# Altium PCB USB-UART-ISO-CP2102-V-2.PcbDoc (continued)
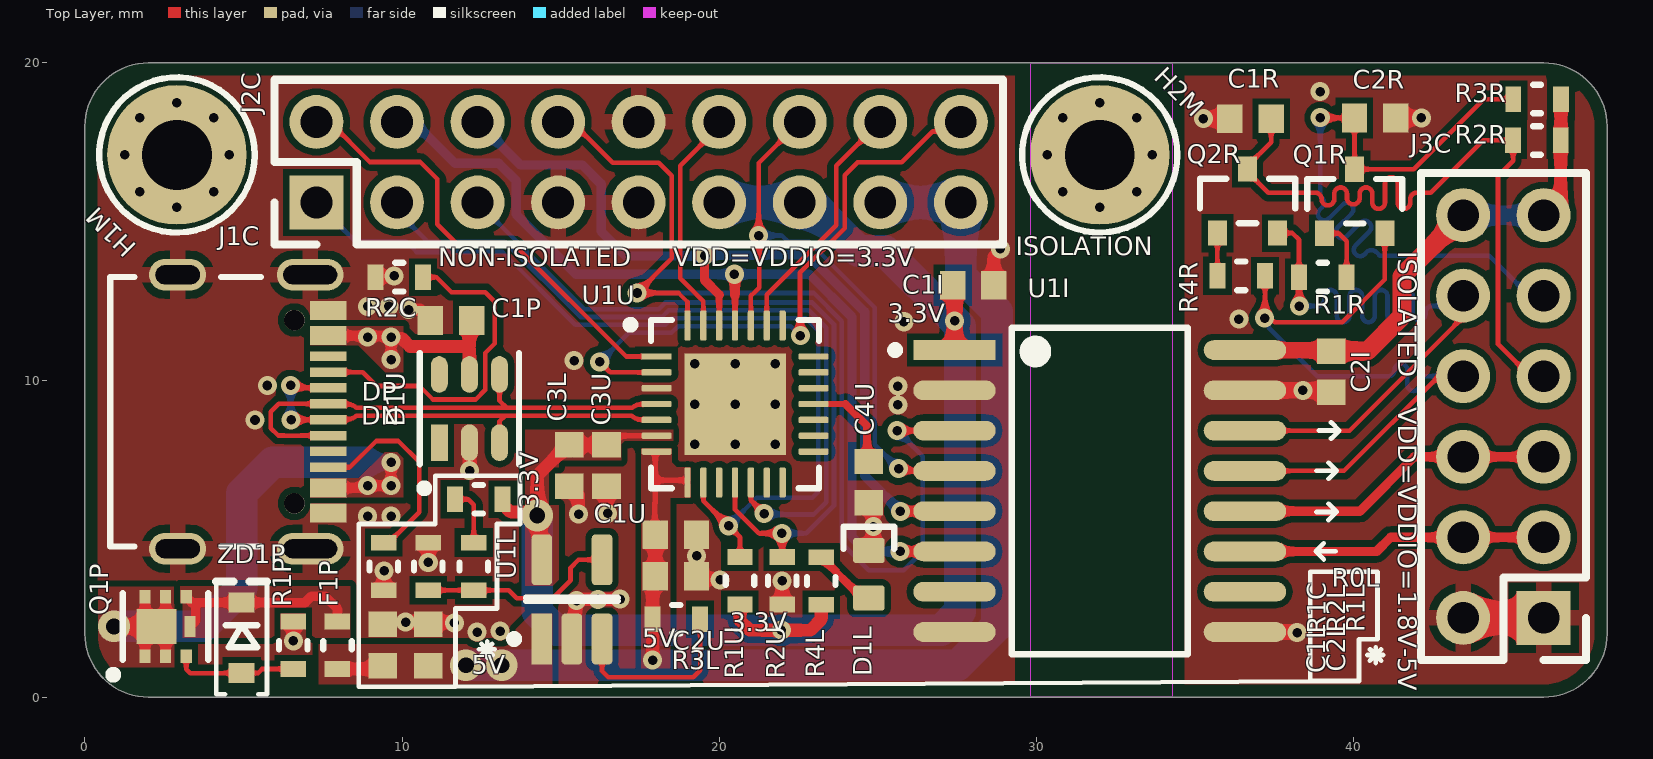
[diagram p0: Top Layer view]
## Part data (continued)
U1I: "DGTL ISO 3750VRMS 4CH GP 16SOIC", Case/Package=SOIC, Isolated Power=No, Max Operating Temperature=125°C, Max Supply Voltage=5.5V, Min Operating Temperature=-40°C, Min Supply Voltage=1.7V, Channel Type=Unidirectional, Data Rate=150Mbps, Lead Free="Contains Lead", Mount="Surface Mount", Number Of Channels=4, Number of Pins=16, packaging=Rail/Tube, Propagation Delay=13ns, Pulse Width Distortion (PWD)=3ns, REACH SVHC="No SVHC", RoHS Compliant=Yes, TYPE="General Purpose"
U1L: "LDO U-Reg Adj 0, 3A SOT23-5", MANUFACTURER="SG Micro", Supplier Part Number 1=SGM2019-ADJYN5GTR-112944978, CATEGORY=LDO, Manufacturer Part Number=SGM2019-ADJYN5G/TR, RoHS=No, Stock 1=6915, Supplier 1=Sourcengine
U1U: "Single-Chip USB to UART Bridge, 1024 Bytes EEPROM, -40 to 85 degC, 28-pin QFN, Tube", MANUFACTURER="Silicon Labs", PartNumber=CP2102-GM, Code_IPC=J-STD-020C, Code_JEDEC=MO-220, componentlink1description="Manufacturer URL", componentlink1url=http://www.silabs.com/, componentlink2description=Datasheet, componentlink2url=http://www.silabs.com/Support%20Documents/TechnicalDocs/CP2102-9.pdf, ComponentLink3Description="Package Specification", ComponentLink3URL=http://www.silabs.com/Support%20Documents/TechnicalDocs/C8051T61x.pdf, DatasheetVersion="Rev. 1.5", EEPROM="1024 Bytes", Internal Oscillator=TRUE, Mounting Technology="Surface Mount", PackageDescription="28-Pin Quad-Flat No-Leads Package, Body 5 x 5 mm, Pitch 0.5 mm", PackageReference=QFN-28, Sub-Family="USB Bridges"
ZD1P: "MM3Z12VST1G Zener Diode, 12V 2% 200 mW SMT 2-Pin SOD-323", Case/Package=SOD-323-2, Forward Voltage=900mV, MANUFACTURER="ON Semiconductor", Max Operating Temperature=150°C, Max Power Dissipation=300mW, Max Reverse Current=100nA, Min Operating Temperature=-65°C, Package Quantity=3000, Power Dissipation=200mW, Test Current=5mA, Tolerance=2%, Voltage Rating (DC)=12V, Zener Current=10mA, CATEGORY="Zener Diodes", componentlink1description=https://datasheet.ciiva.com/30478/0900766b8127c8bd-30478408.pdf?src-supplier=Rs, componentlink1url=https://datasheet.ciiva.com/30478/0900766b8127c8bd-30478408.pdf?src-supplier=Rs, componentlink2description=https://datasheet.ciiva.com/16292/mm3z12vst1g-16292931.pdf?src-supplier=Future+Electronics, componentlink2url=https://datasheet.ciiva.com/16292/mm3z12vst1g-16292931.pdf?src-supplier=Future+Electronics, ComponentLink3Description=https://datasheet.ciiva.com/22626/1878251-22626885.pdf?src-supplier=Element14, ComponentLink3URL=https://datasheet.ciiva.com/22626/1878251-22626885.pdf?src-supplier=Element14, ComponentLink4Description=https://datasheet.ciiva.com/894/mm3z2v4st1-d-894650.pdf?src-supplier=Digikey, ComponentLink4URL=https://datasheet.ciiva.com/894/mm3z2v4st1-d-894650.pdf?src-supplier=Digikey, ComponentLink5Description=https://datasheet.ciiva.com/894/mm3z2v4st1-d-894651.pdf?src-supplier=Digikey, ComponentLink5URL=https://datasheet.ciiva.com/894/mm3z2v4st1-d-894651.pdf?src-supplier=Digikey, ComponentLink6Description=https://datasheet.ciiva.com/894/mm3z2v4st1-d-894649.pdf?src-supplier=Digikey, ComponentLink6URL=https://datasheet.ciiva.com/894/mm3z2v4st1-d-894649.pdf?src-supplier=Digikey, Height=1mm, Impedance=25R, Lead Free="Lead Free", Length=1.8mm, Manufacturer Part Number=MM3Z12VST1G, Material=Plastic, Max Reverse Leakage Current=100nA, packaging="Tape and Reel", Pins=2, Power Rating=200mW, Pricing 1="3000=0.0152, 6000=0.0145, 9000=0.0143, 27000=0.0137, 51000=0.0133, 102000=0.0128, 252000=0.0125, 501000=0.0123 (USD)", Radiation Hardening=No, Reach SVHC Compliant=No, RoHS=Yes, RoHS Compliant=Yes, SERIES=-, Stock 1=60000, Supplier 1=Onlinecomponents.com, Supplier Part Number 1=MM3Z12VST1G, Voltage Tolerance=2%, Width=1.35mm, Working Voltage=12V, Zener Voltage=12V

## Via types
v1: diameter 0.6, hole 0.3, Top Layer to Bottom Layer, tented both sides, 63 vias
v2: diameter 0.6, hole 0.3, Top Layer to Bottom Layer, tented bottom, 9 vias
v3: diameter 1, hole 0.5, Top Layer to Bottom Layer, tented both sides, 4 vias

## Nets (pads, with @x,y where several pads share a name; then routed paths per layer and width w, separated by ;. In a path a pad name is that pad's centre, name@x,y a point inside that pad or via, vN(x,y) a via of type N, cw(c..) or ccw(c..) an arc to the next point about the centre after c; other vN are vias at no path point)
+3VALW: C1I.1 C3L.1 C3U.1 J2C.11 J2C.13 R0L.1 R1U.1 R4L.1 U1I.1 U1L.5 U1U.6 | length 49.3
  Top Layer w0.18: C3U.1 16.735,8.243 U1U.6
  Top Layer w0.4: R0L.1 13.164,6.092 13.412,5.845 14.15,5.845 v3(14.265,5.73) ; U1L.5 14.335,4.404 14.335,5.659 v3(14.265,5.73) ; C3U.1 C3L.1 15.221,7.954 14.265,6.998 v3(14.265,5.73) ; R1U.1 20.655,2.417 20.962,2.11 v1(21.961,2.11) 22.875,2.11 23.22,2.455 R4L.1
  Top Layer w0.5: C1I.1 27.422,12.928 v1(27.422,11.868) U1I.1
  Bottom Layer w1: v3(14.265,5.73) 14.265,2.699 14.853,2.11 v1(21.961,2.11) 27.002,2.11 27.594,2.702 27.594,11.696 v1(27.422,11.868) 25.221,14.069 24.396,14.069 23.214,15.25 23.079,15.25 22.729,15.6 J2C.13 J2C.11
+5V_BUCK: C1L.1 C1U.1 C2L.1 C2U.1 F1P.2 J2C.15 J2C.17 R3L.1 U1L.1 U1U.7 U1U.8 | length 42.7
  Top Layer w0.18: C1U.1 17.972,5.134 17.972,6.111 17.986,6.126 17.986,6.84 ; U1U.7 17.986,7.704 17.986,6.84 ; U1U.8 18.928,6.84 17.986,6.84
  Top Layer w0.4: F1P.2 C1L.1@9.393,0.888 ; v1(17.9,1.168) R3L.1 17.9,3.72 C2U.1 C1U.1
  Bottom Layer w1: v3(12.012,1.008) v3(13.139,1.008) 27.522,1.008 28.758,2.245 28.758,12.15 27.62,13.288 J2C.17 J2C.15
+5V_VBUS: C1P.1 D1U.5 J1C.A4-B9 J1C.B4-A9 Q1P.1-2-5-6-7 | length 29
  Top Layer w0.3: Q1P.1-2-5-6-7@1.893,1.295 Q1P.1-2-5-6-7@1.893,2.23 ; Q1P.1-2-5-6-7@1.893,2.234 Q1P.1-2-5-6-7@1.893,3.165 ; Q1P.1-2-5-6-7@2.543,1.295 Q1P.1-2-5-6-7@2.543,3.165 ; J1C.B4-A9 8.846,6.6 v1(8.915,6.669) v1(9.652,6.669) v1(9.652,7.406) ; J1C.A4-B9 9.607,11.4 v1(9.652,11.355) v1(9.652,10.644) ; C1P.1@12.123,11.807 C1P.1
  Top Layer w0.4: v1(9.652,11.355) 9.69,11.317 9.988,11.317 10.25,11.055 12.123,11.055 ; D1U.5 12.123,11.005 12.123,11.055 ; C1P.1@12.123,11.807 12.123,11.055
  Top Layer w0.5: v3(0.913,2.234) 1.893,2.234 2.254,2.234 Q1P.1-2-5-6-7@2.258,2.23
  Bottom Layer w0.3: v1(8.915,6.669) v1(9.652,6.669) v1(9.652,7.406)
  Bottom Layer w0.5: 8.862,7.406 v1(9.652,7.406)
  Bottom Layer w1: v3(0.913,2.234) 3.742,2.234 4.944,3.435 4.944,6.427 5.923,7.406 8.862,7.406
  other v1: 8.915,11.355
+5V_VBUS#: F1P.1 Q1P.4-8 ZD1P.1 | length 6.4
  Top Layer w0.3: Q1P.4-8@3.193,3.165 3.373,2.984 ; Q1P.4-8@3.318,2.23 3.493,2.405 3.493,2.865 3.373,2.984 ; F1P.1 7.96,2.791 7.574,3.177 7.211,3.177 7.199,3.189 7.145,3.189 6.94,2.984 ZD1P.1 3.373,2.984
CC1: J1C.A5 R2C.1 | length 10.9
  Top Layer w0.146: J1C.A5 8.759,10.25 9.195,9.813 10.549,9.813 10.975,9.387 12.328,9.387 12.628,9.687 12.628,10.854 12.928,11.153 12.928,12.467 12.623,12.772 11.558,12.772 11.086,13.244 R2C.1
CC2: J1C.B5 R1C.1 | length 6.6
  Top Layer w0.146: J1C.B5 8.354,7.25 9.183,8.079 9.883,8.079 10.539,7.422 10.539,5.837 9.574,4.871 R1C.1
CP2102_USB_N: D1U.3 J1C.A7 J1C.B7 U1U.5 | length 14.9
  Top Layer w0.144: v1(6.483,9.83) 6.563,9.75 J1C.B7 ; v1(6.5,8.746) 6.502,8.748 7.676,8.748 J1C.A7 8.247,8.75 ccw(c8.247,9.183) 8.553,8.877 13.251,8.877 ; D1U.3@13.073,7.946 D1U.3 13.073,8.698 13.251,8.877 ; U1U.5 17.565,8.743 cw(c17.565,9.2) 17.242,8.877 13.251,8.877
  Bottom Layer w0.144: v1(6.483,9.83) 6.483,8.764 v1(6.5,8.746)
CP2102_USB_P: D1U.4 J1C.A6 J1C.B6 U1U.4 | length 15.8
  Top Layer w0.144: J1C.B6 6.812,8.25 6.806,8.244 6.296,8.244 6.29,8.25 6.095,8.25 5.864,8.481 5.864,9.003 6.111,9.25 J1C.A6 8.247,9.25 cw(c8.247,8.817) 8.553,9.123 13.295,9.123 ; D1U.4@13.073,10.097 13.073,9.345 13.295,9.123 ; U1U.4 17.55,9.243 ccw(c17.55,8.835) 17.261,9.123 13.295,9.123
CTS#: J2C.16 U1U.23 | length 7.9
  Top Layer w0.146: U1U.23 21.5,12.685 23.693,14.878 23.693,16.753 J2C.16
DCD#: J2C.2 U1U.1 | length 14.6
  Top Layer w0.146: J2C.2 7.719,18.14 8.985,16.875 10.574,16.875 11.109,16.34 11.109,14.912 11.751,14.27 13.538,14.27 17.066,10.743 U1U.1
DSR#: J2C.12 U1U.27 | length 7.2
  Top Layer w0.146: U1U.27 19.5,12.48 18.771,13.209 18.771,16.76 20,17.989 J2C.12
DTR#: J2C.8 U1I.3 U1U.28 | length 33.8
  Top Layer w0.146: J2C.8 15.349,18.14 16.638,16.851 18.096,16.851 18.51,16.438 18.51,13.84 17.563,12.893 17.563,12.786 v1@17.604,12.745 ; v1(17.415,12.745) v1@17.604,12.745 ; U1U.28 19,12.461 18.716,12.745 v1@17.604,12.745 ; v1(25.613,8.405) U1I.3
  Bottom Layer w0.146: v1(17.415,12.745) 22.978,12.745 23.867,11.856 23.867,4.854 24.722,3.999 25.82,3.999 26.416,4.596 26.416,7.602 v1(25.613,8.405)
DTR#_ISO: J3C.10 Q2R.2 R1R.1 U1I.14 | length 23.6
  Top Layer w0.146: U1I.14 39.877,8.405 43.46,11.988 J3C.10 ; Q2R.2 38.068,14.636 38.286,14.418 R1R.1 38.286,12.34 v1(38.293,12.333)
  Bottom Layer w0.146: v1(38.293,12.333) 38.804,12.333 38.877,12.333 ccw(c38.877,12.533) 39.077,12.533 39.077,12.641 cw(c39.277,12.641) 39.277,12.841 cw(c39.277,12.641) 39.477,12.641 39.477,12.025 ccw(c39.677,12.025) 39.677,11.825 ccw(c39.677,12.025) 39.877,12.025 39.877,12.641 cw(c40.077,12.641) 40.077,12.841 cw(c40.077,12.641) 40.277,12.641 40.277,12.025 ccw(c40.477,12.025) 40.477,11.825 ccw(c40.477,12.025) 40.676,12.025 40.676,12.641 cw(c40.876,12.641) 40.876,12.841 cw(c40.876,12.641) 41.076,12.641 41.076,12.025 ccw(c41.276,12.025) 41.276,11.825 ccw(c41.276,12.025) 41.476,12.025 41.476,12.641 cw(c41.676,12.641) 41.676,12.841 cw(c41.676,12.641) 41.876,12.641 41.876,12.091 ccw(c42.076,12.091) 42.076,11.891 ccw(c42.076,12.091) 42.276,12.091 42.276,12.133 cw(c42.476,12.133) 42.476,12.333 42.874,12.333 43.133,12.333 J3C.10
EN: R3L.2 U1L.3 | length 5.9
  Top Layer w0.146: U1L.3 16.306,0.822 16.499,0.629 19.181,0.629 19.4,0.847 R3L.2
EN/RST/nRST_ISO: C2R.1 J3C.9 Q1R.3 R3R.2 | length 23.5
  Top Layer w0.146: v1(38.955,18.274) 38.965,18.264 C2R.1 40.033,17.156 40.039,17.15 Q1R.3 41.905,16.648 44.116,18.859 R3R.2
  Bottom Layer w0.146: v1(38.955,18.274) 38.955,16.482 38.955,15.797 39.015,15.737 cw(c38.873,15.596) 39.015,15.454 38.938,15.378 ccw(c39.079,15.237) 38.938,15.095 ccw(c39.079,15.237) 39.221,15.095 39.657,15.531 cw(c39.798,15.39) 39.939,15.531 cw(c39.798,15.39) 39.939,15.248 39.504,14.813 ccw(c39.645,14.671) 39.504,14.53 ccw(c39.645,14.671) 39.786,14.53 40.222,14.966 cw(c40.363,14.824) 40.505,14.966 cw(c40.363,14.824) 40.505,14.683 40.069,14.247 ccw(c40.21,14.106) 40.069,13.964 ccw(c40.21,14.106) 40.352,13.964 40.428,14.041 cw(c40.569,13.9) 40.711,14.041 40.762,13.989 40.827,13.925 44.279,13.925 45.544,12.66 J3C.9
FB_1: R1L.2 R2L.1 U1L.4 | length 6.3
  Top Layer w0.146: R2L.1 11.759,3.371 R1L.2 13.368,3.371 13.616,3.122 14.746,3.122 15.312,3.689 15.312,4.082 15.563,4.333 U1L.4
FB_2: R0L.2 R1L.1 | length 1.9
  Top Layer w0.146: R0L.2 12.083,6.242 12.261,6.064 R1L.1
GATE_VBUS: Q1P.3 R1P.1 ZD1P.2 | length 3.9
  Top Layer w0.146: Q1P.3 3.193,0.883 3.317,0.759 ZD1P.2 5.455,0.759 5.584,0.888 R1P.1
GND: C1I.2 C1L.2 C1P.2 C1U.2 C2L.2 C2U.2 C3L.2 C3U.2 C4U.2 D1L.1 D1U.2 J1C.A1-B12 J1C.B1-A12 J1C.SH J2C.7 J2C.9 J2C.10 R1C.2 R1P.2 R2C.2 R2L.2 R2U.2 U1I.2 U1I.8 U1L.2 U1U.3 U1U.29 | length 14.7
  Top Layer w0.4: v1(6.57,1.777) R1P.2@6.57,2.409 ; R2C.2 9.178,13.264 9.726,13.264 v1(9.746,13.284) ; R1C.2 9.424,3.972 v1(9.436,3.984) ; v1(10.115,2.369) 11.622,2.369 v1(11.649,2.342) ; v1(10.204,12.219) 10.552,12.219 C1P.2 ; v1@10.826,4.249 R2L.2 ; D1U.2 12.128,8.02 12.128,7.152 v1(12.133,7.147) ; C3L.2 15.569,6.356 v1(15.569,5.773) ; U1L.2 15.464,1.94 15.464,2.946 15.505,2.988 v1(15.505,3.042) 15.559,3.042 15.603,3.086 v1(16.181,3.086) 16.867,3.086 v1(16.874,3.093) ; C3U.2 16.446,5.828 v1(16.479,5.795) ; C2U.2 19.353,3.739 19.99,3.739 v1(20.028,3.701) ; R2U.2 v1(21.987,3.666) ; D1L.1 24.859,4.763 24.859,5.995 C4U.2 ; C1I.2 28.66,13.88 28.864,14.083 v1(28.864,14.138)
  other v1: 12.366,2.047 13.091,2.082 10.825,4.248 19.288,4.452 24.859,5.379 8.915,5.705 9.652,5.705 5.362,8.74 25.635,9.218 25.635,9.812 5.754,9.828 15.422,10.613 25.824,11.838 8.915,12.319 9.587,12.322
  other v2: 19.23,7.973 20.5,7.973 21.77,7.973 19.23,9.243 20.5,9.243 21.77,9.243 19.23,10.513 20.5,10.513 21.77,10.513
GND-ISO: C1R.2 C2I.2 C2R.2 J3C.1 J3C.2 U1I.9 U1I.15 | length 8.6
  Top Layer w0.5: v1(35.272,18.243) C1R.2 ; U1I.9 38.177,2.055 38.181,2.051 38.2,2.051 v1@38.204,2.055 ; U1I.15 v1(38.406,9.675) 39.241,9.675 C2I.2 ; C2R.2 v1(42.145,18.265)
  Top Layer w1: J3C.2 J3C.1
  other v1: 38.227,2.032 36.392,11.923 38.953,19.092
IO0/GPIO0_ISO: C1R.1 J3C.7 Q2R.3 R2R.2 | length 23.6
  Top Layer w0.146: C1R.1 37.405,17.499 36.662,16.756 Q2R.3 36.662,16.556 37.31,15.908 37.512,15.908 38.797,15.908 cw(c38.797,15.708) 38.997,15.708 ccw(c39.197,15.708) 39.197,15.508 ccw(c39.197,15.708) 39.397,15.708 39.397,15.873 cw(c39.597,15.873) 39.597,16.073 cw(c39.597,15.873) 39.797,15.873 39.797,15.738 ccw(c39.996,15.738) 39.996,15.538 ccw(c39.996,15.738) 40.196,15.738 40.196,15.873 cw(c40.396,15.873) 40.396,16.073 cw(c40.396,15.873) 40.596,15.873 40.596,15.6 ccw(c40.796,15.6) 40.796,15.4 ccw(c40.796,15.6) 40.996,15.6 40.996,16.2 cw(c41.196,16.2) 41.196,16.4 cw(c41.196,16.2) 41.396,16.2 41.396,15.6 ccw(c41.596,15.6) 41.596,15.4 ccw(c41.596,15.6) 41.796,15.6 41.796,15.708 cw(c41.995,15.708) 41.995,15.908 42.068,15.908 42.442,15.908 44.091,17.557 R2R.2 45.038,16.913 44.561,16.436 44.561,11.129 45.57,10.12 J3C.7
NetQ1R_1: Q1R.1 R1R.2 | length 1.9
  Top Layer w0.146: Q1R.1 39.541,14.628 39.786,14.382 R1R.2
NetQ2R_1: Q2R.1 R4R.2 | length 1.4
  Top Layer w0.146: Q2R.1 35.712,13.791 35.715,13.788 R4R.2
Power_LED: D1L.2 R4L.2 | length 2
  Top Layer w0.254: R4L.2 24.509,3.125 D1L.2 D1L.2@24.73,3.116
RI#: J2C.18 U1U.2 | length 18.9
  Top Layer w0.146: v1(16.234,10.572) 16.563,10.243 U1U.2 ; v1(22.56,11.401) 22.547,11.414 22.547,13.382 23.954,14.789 23.954,16.455 24.364,16.864 25.762,16.864 26.74,17.843 27.323,17.843 J2C.18
  Bottom Layer w0.146: v1(16.234,10.572) 17.152,11.49 18.495,11.49 18.705,11.7 22.261,11.7 v1(22.56,11.401)
RST#: J2C.1 R1U.2 U1U.9 | length 28.8
  Top Layer w0.146: U1U.9 19.5,6.195 20.292,5.402 v1(20.295,5.402) 20.655,5.042 R1U.2
  Bottom Layer w0.146: J2C.1 8.528,14.372 10.12,14.372 10.455,14.037 13.167,14.037 15.464,11.74 18.298,11.74 18.506,11.948 22.724,11.948 23.123,11.548 23.123,6.473 22.934,6.283 21.628,6.283 21.627,6.284 21.176,6.284 v1(20.295,5.402)
RTS#: J2C.14 U1I.4 U1U.24 | length 18.9
  Top Layer w0.146: U1U.24 21,12.652 21.131,12.783 21.259,12.911 21.259,14.542 v1(21.245,14.555) 21.245,16.845 J2C.14 ; v1(25.657,7.205) 25.727,7.135 U1I.4
  Bottom Layer w0.146: v1(21.245,14.555) 21.982,14.555 22.173,14.364 22.833,14.364 24.909,12.288 24.909,7.954 v1(25.657,7.205)
RTS#_ISO: J3C.8 Q1R.2 R4R.1 U1I.13 | length 23.6
  Top Layer w0.146: U1I.13 39.704,7.135 42.689,10.12 J3C.8 ; R4R.1 37.215,11.968 v1(37.202,11.955) 37.289,11.869 37.473,11.869 37.515,11.826 39.646,11.826 40.989,13.169 Q1R.2
  Bottom Layer w0.146: v1(37.202,11.955) 37.202,11.833 37.332,11.703 37.332,11.648 38.86,10.12 39.166,10.12 41.099,10.12 ccw(c41.099,10.32) 41.299,10.32 cw(c41.499,10.32) 41.499,10.52 cw(c41.499,10.32) 41.699,10.32 41.699,9.855 ccw(c41.898,9.855) 41.898,9.656 ccw(c41.898,9.855) 42.098,9.855 42.098,9.92 cw(c42.298,9.92) 42.298,10.12 42.371,10.12 J3C.8
RXD: J2C.4 U1I.6 U1U.25 | length 29.5
  Top Layer w0.18: U1U.25 20.5,12.65
  Top Layer w0.295: v1(20.479,13.336) 20.5,13.315 20.5,12.65 ; v1(25.709,4.595) U1I.6
  Bottom Layer w0.295: J2C.4 10.367,18.14 11.675,16.833 13.052,16.833 13.596,16.289 13.596,15.226 15.486,13.336 v1(20.479,13.336) 20.481,13.339 22.84,13.339 24.189,11.99 24.189,5.054 24.648,4.595 v1(25.709,4.595)
RXD_ISO: J3C.3 J3C.4 U1I.11 | length 9.6
  Top Layer w0.295: U1I.11 40.732,4.595 41.177,5.04 J3C.4 J3C.3
SUSPEND: J2C.3 U1U.12 | length 24.3
  Top Layer w0.146: U1U.12 21,6.204 v1(21.42,5.784)
  Bottom Layer w0.146: J2C.3 9.84,15.32 10.803,14.357 13.243,14.357 15.613,11.987 18.195,11.987 18.404,12.196 22.826,12.196 23.371,11.651 23.371,6.145 22.988,5.761 21.443,5.761 v1(21.42,5.784)
SUSPEND#: J2C.5 R2U.1 U1U.11 | length 24.1
  Top Layer w0.146: U1U.11 20.5,5.916 21.251,5.166 v1(21.975,5.166) 21.987,5.153 R2U.1
  Bottom Layer w0.146: J2C.5 15.745,12.235 18.093,12.235 18.301,12.444 22.929,12.444 23.619,11.754 23.619,6.042 23.09,5.513 22.742,5.166 v1(21.975,5.166)
TXD: J2C.6 U1I.5 U1U.26 | length 26.5
  Top Layer w0.18: U1U.26 20,12.693
  Top Layer w0.295: v1(19.539,13.923) 19.539,13.155 20,12.693 ; v1@25.714,5.865 U1I.5
  Bottom Layer w0.295: J2C.6 13.738,16.782 15.68,16.782 16.276,16.185 16.276,14.693 17.059,13.911 19.526,13.911 v1(19.539,13.923) 19.555,13.94 21.497,13.94 21.503,13.946 22.794,13.946 24.586,12.154 24.586,6.987 v1(25.711,5.862)
TXD_ISO: J3C.5 J3C.6 U1I.12 | length 10.1
  Top Layer w0.295: U1I.12 40.205,5.865 41.92,7.58 J3C.6 J3C.5
VCC: C2I.1 J3C.11 J3C.12 R2R.1 R3R.1 U1I.16 | length 15.9
  Top Layer w0.4: J3C.12@43.397,15.2 J3C.12 ; J3C.11 46.538,15.738 R2R.1 46.543,17.562 R3R.1
  Top Layer w0.5: U1I.16 39.271,10.945 C2I.1
  Top Layer w0.6: C2I.1 40.431,10.913 41.532,12.015 41.532,13.272 J3C.12
  Bottom Layer w0.6: J3C.12 J3C.11
VPP/NC: C4U.1 U1U.18 | length 3.1
  Top Layer w0.18: U1U.18 23.978,9.243
  Top Layer w0.254: 23.978,9.243 24.668,8.553 24.668,7.486 C4U.1
pads on no net: D1U.1 D1U.6 H1M.1 H2M.1 J1C.A8 J1C.B8 J1C.MH U1I.7 U1I.10 U1U.10 U1U.13 U1U.14 U1U.15 U1U.16 U1U.17 U1U.19 U1U.20 U1U.21 U1U.22

## Polygon pours and split planes (outlines as drawn)
+5V_BUCK on Top Layer "TOP_+5V_BUCK_2" (solid, pour order 133): 18.463,0.852 18.463,6.293 19.1,6.293 19.1,7.243 18.665,7.243 18.5,7.408 18.5,7.843 17.55,7.843 17.55,0.852
+5V_BUCK on Top Layer "TOP_+5V_BUCK_1" (solid, pour order 132): 13.117,1.668 14.081,2.633 14.731,2.633 14.74,2.623 14.74,0 7.37,0 7.37,1.668
+3VALW on Top Layer "TOP_+3VALW_2" (solid, pour order 135): 16.915,7.975 17.02,8.081 18.544,8.081 18.544,8.437 16.888,8.437 13.878,8.437 13.878,3.517 14.937,3.517 14.937,7.472 16.915,7.472
+5V_VBUS# on Top Layer "TOP_+5V_VBUS#" (solid, pour order 131): 8.36,3.497 8.36,2.7 8.36,1.868 3.011,1.868 3.011,3.497
+5V_VBUS on Top Layer "TOP_+5V_VBUS_3" (solid, pour order 130): 2.893,0.951 2.893,3.478 0.412,3.478 0.412,0.951
+5V_VBUS on Top Layer "TOP_+5V_VBUS_1" (solid, pour order 111): 8.625,6.9 9.449,7.724 10.033,7.724 10.033,6.3 7.103,6.3 7.103,6.9
+5V_VBUS on Top Layer "TOP_+5V_VBUS_2" (solid, pour order 117): 8.611,11.1 9.472,10.239 10.033,10.239 10.033,11.7 7.103,11.7 7.103,11.1
GND on Top Layer "TOP_GND" (solid, pour order 137): -0.001,2 -0.001,18 cw(c1.999,18) 1.999,20 29.327,20 29.327,0 1.999,0 cw(c1.999,2)
GND-ISO on Top Layer "TOP_GND-ISO" (solid, pour order 136): 34.682,0 34.682,20 45.999,20 cw(c45.999,18) 47.999,18 47.999,2 cw(c45.999,2) 45.999,0
+3VALW on Bottom Layer "BOT_+3VALW" (solid, pour order 143): 12.975,4.695 12.975,6.243 14.916,6.243 14.916,4.695
GND-ISO on Bottom Layer "BOT_GND_ISO" (solid, pour order 144): 34.682,0 34.682,20 45.999,20 cw(c45.999,18) 47.999,18 47.999,2 cw(c45.999,2) 45.999,0
GND on Bottom Layer "BOT_GND" (solid, pour order 145): -0.001,2 -0.001,18 cw(c1.999,18) 1.999,20 29.327,20 29.327,0 1.999,0 cw(c1.999,2)
+5V_VBUS on Bottom Layer "BOT_+5V_VBUS" (solid, pour order 112): 8.611,11.712 10.033,11.712 10.033,6.302 8.611,6.302 8.611,10.327

## Keep-outs
Keep-Out Layer:
  region: 29.83,20 34.291,20 34.291,0 29.83,0

## Silkscreen, mask and mechanical layers (free items; w line width, h text height)
Top Overlay:
  lines w0.15: 12.422,1.508 12.922,1.508 ; 12.494,1.326 12.847,1.679 ; 12.504,1.682 12.858,1.329 ; 12.682,1.253 12.682,1.753 ; 38.837,5.842 39.472,5.842 ; 38.837,7.137 39.472,7.137 ; 38.862,0.5 11.684,0.326 ; 38.913,8.407 39.548,8.407 ; 39.065,4.343 38.811,4.597 ; 39.065,4.851 38.811,4.597 ; 39.218,5.588 39.472,5.842 ; 39.218,6.096 39.472,5.842 ; 39.218,6.883 39.472,7.137 ; 39.218,7.391 39.472,7.137 ; 39.294,8.153 39.548,8.407 ; 39.294,8.661 39.548,8.407 ; 39.446,4.597 38.811,4.597 ; 40.442,1.329 40.942,1.329 ; 40.513,1.147 40.867,1.501 ; 40.524,1.504 40.877,1.15 ; 40.702,1.074 40.702,1.574 ; 11.684,0.326 11.684,2.794 12.995,2.794 12.995,5.461 13.716,5.461 13.716,6.985 11.049,6.985 11.049,5.461 8.636,5.461 8.636,0.326 11.684,0.326 ; 38.637,0.508 38.637,3.955 40.759,3.955 40.759,3.513 40.759,1.825 40.177,1.825 40.179,0.512 38.637,0.508
  text "ISOLATED" at 41.207,14.06 h1 r270
  text "ISOLATION" at 29.351,13.723 h1
  text "NON-ISOLATED" at 11.134,13.383 h1
  text "VDD=VDDIO=3.3V" at 18.545,13.378 h1
  text "3.3V" at 25.314,11.625 h1
  text "DP" at 8.722,9.144 h1
  text "VDD=VDDIO=1.8V-5V" at 41.216,9.137 h1 r270
  text "DN" at 8.708,8.385 h1
  text "3.3V" at 14.504,5.923 h1 r90
  text "3.3V" at 20.326,1.878 h1
  text "5V" at 17.572,1.361 h1
  text "5V" at 12.195,0.531 h1
Bottom Overlay:
  region: 47.451,1.043 42,1.043 42,16.641 47.451,16.641 hole: 47.048,16.248 44.952,16.248 44.952,14.152 47.048,14.152 hole: 44.508,16.248 42.412,16.248 42.412,14.152 44.508,14.152 hole: 47.048,13.708 44.952,13.708 44.952,11.612 47.048,11.612 hole: 44.508,13.708 42.412,13.708 42.412,11.612 44.508,11.612 hole: 47.048,11.168 44.952,11.168 44.952,9.072 47.048,9.072 hole: 44.508,11.168 42.412,11.168 42.412,9.072 44.508,9.072 hole: 47.048,8.628 44.952,8.628 44.952,6.532 47.048,6.532 hole: 44.508,8.628 42.412,8.628 42.412,6.532 44.508,6.532 hole: 47.048,6.088 44.952,6.088 44.952,3.992 47.048,3.992 hole: 44.508,6.088 42.412,6.088 42.412,3.992 44.508,3.992 hole: 47.048,3.548 44.952,3.548 44.952,1.452 47.048,1.452 hole: 44.508,3.548 42.412,3.548 42.412,1.452 44.508,1.452
  region: 29.083,14.148 5.842,14.148 5.842,19.609 29.083,19.609 hole: 28.668,19.188 26.572,19.188 26.572,17.092 28.668,17.092 hole: 26.128,19.188 24.032,19.188 24.032,17.092 26.128,17.092 hole: 23.588,19.188 21.492,19.188 21.492,17.092 23.588,17.092 hole: 21.048,19.188 18.952,19.188 18.952,17.092 21.048,17.092 hole: 18.508,19.188 16.412,19.188 16.412,17.092 18.508,17.092 hole: 15.968,19.188 13.872,19.188 13.872,17.092 15.968,17.092 hole: 13.428,19.188 11.332,19.188 11.332,17.092 13.428,17.092 hole: 10.888,19.188 8.792,19.188 8.792,17.092 10.888,17.092 hole: 8.348,19.188 6.252,19.188 6.252,17.092 8.348,17.092 hole: 28.668,16.648 26.572,16.648 26.572,14.552 28.668,14.552 hole: 26.128,16.648 24.032,16.648 24.032,14.552 26.128,14.552 hole: 23.588,16.648 21.492,16.648 21.492,14.552 23.588,14.552 hole: 21.048,16.648 18.952,16.648 18.952,14.552 21.048,14.552 hole: 18.508,16.648 16.412,16.648 16.412,14.552 18.508,14.552 hole: 15.968,16.648 13.872,16.648 13.872,14.552 15.968,14.552 hole: 13.428,16.648 11.332,16.648 11.332,14.552 13.428,14.552 hole: 10.888,16.648 8.792,16.648 8.792,14.552 10.888,14.552 hole: 8.348,16.648 6.252,16.648 6.252,14.552 8.348,14.552
  lines w0.15: 17.043,5.893 17.043,11.913 ; 34.963,12.624 35.649,12.624 ; 35.065,7.468 35.7,7.468 ; 35.065,10.084 35.7,10.084 ; 35.319,4.547 35.065,4.801 ; 35.319,5.055 35.065,4.801 ; 35.4,12.375 35.654,12.629 35.4,12.883 ; 35.446,7.214 35.7,7.468 ; 35.446,7.722 35.7,7.468 ; 35.446,9.83 35.7,10.084 ; 35.446,10.338 35.7,10.084 ; 35.7,4.801 35.065,4.801 ; 37.236,16.116 37.49,15.862 ; 37.49,16.993 37.49,16.497 37.49,15.862 ; 37.744,16.116 37.49,15.862 ; 40.513,16.129 40.767,15.875 ; 40.919,18.186 43.129,18.186 43.129,17.475 43.129,16.84 ; 41.021,16.129 40.767,15.875 ; 42.875,17.094 43.129,16.84 ; 43.294,18.988 40.767,16.51 40.767,15.875 ; 43.383,17.094 43.129,16.84 ; 46.634,17.704 47.168,17.704 47.168,17.069 ; 46.914,17.323 47.168,17.069 ; 47.422,17.323 47.168,17.069
  text "WITHOUT /  AUTO /  PROG" at 40.742,17.221 h1
  text "WITH  /  AUTO /  PROG" at 46.457,17.221 h1
  text "VDD" at 38.682,14.834 h1
  text "VDD" at 41.783,14.808 h1
  text "ISOLATION" at 34.671,13.702 h1
  text "RXD" at 10.795,13.259 h1
  text "TXD" at 13.157,13.259 h1
  text "GND" at 18.39,13.259 h1
  text "RTS#" at 23.851,13.259 h1
  text "CTS#" at 26.238,13.259 h1
  text "RI#" at 28.499,13.259 h1
  text "DTR#" at 16.205,13.233 h1
  text "DSR#" at 21.184,13.233 h1
  text "3.3V" at 21.158,12.353 h1
  text "3.3V" at 23.825,12.353 h1
  text "5V" at 26.238,12.355 h1
  text "5V" at 28.524,12.355 h1
  text "GND" at 16.18,12.294 h1
  text "GND" at 18.398,12.284 h1
  text "SUS" at 10.77,12.268 h1
  text "SUS#" at 13.462,12.259 h1
  text "DTR#" at 38.682,12.268 h1
  text "EN  /  RST  /  nRST" at 41.783,11.506 h1
  text "C3L, C2I, C2R = 1uF" at 16.8,11.226 h1
  text "U1U=CP2102N-QFN-28" at 29.275,11.226 h1
  text "DCD#" at 8.23,10.693 h1
  text "C4U = 4.7uF" at 16.8,10.353 h1
  text "U1I=ADUM141D0BRWZ" at 29.275,10.362 h1
  text "RST#" at 8.23,9.779 h1
  text "RST#" at 38.682,9.703 h1
  text "C3L, C1L = 1uF" at 16.8,9.489 h1
  text "U1L=SGM2019-ADJYN5G/TR" at 29.275,9.489 h1
  text "IO0  /  GPIO0" at 41.783,9.271 h1
  text "Q1P=PMPB14XPZ" at 29.275,8.578 h1
  text "Q1R, Q2R=SS8050-G" at 29.275,7.59 h1
  text "Register, 1%, 0603 / Capacitor, 10%, 0603" at 16.853,7.137 h1
  text "TXD" at 38.682,7.087 h1
  text "TXD" at 41.783,7.087 h1
  text "2 Layers / 0.6MM / Copper 1oz / Impedance / Single 50Ω / Single 60Ω / Diff 90Ω" at 34.442,6.756 h1
  text "ZD1P=MM3Z12VST1G" at 29.275,6.718 h1
  text "D1U=SRV05-4" at 29.275,5.845 h1
  text "R1R, R1U, R2R, R2U, R3L, R3R, R4R = 10KΩ" at 29.275,4.857 h1
  text "RXD" at 41.783,4.521 h1
  text "RXD" at 38.682,4.47 h1
  text "R2L = 20KΩ" at 13.716,3.985 h1
  text "R1L = 33KΩ" at 20.463,3.985 h1
  text "R0L = 1.69KΩ" at 29.275,3.985 h1
  text "R1C, R2C = 5.1KΩ" at 29.275,2.997 h1
  text "R4L = 2.49KΩ" at 20.463,2.881 h1
  text "GND" at 38.682,2.184 h1
  text "GND" at 41.783,2.184 h1
  text "USB TO UART ISOLATED / AND / RS-232" at 34.36,2.15 h1
  text "C1P, C1R, C1U, C2L, C2U, C3U = 100nF" at 29.286,2.057 h1
  text "Alcatraz" at 4.222,1.006 h1
  text "ISOLATED PORTS" at 41.834,0.533 h1
  text "NON-ISOLATED PORTS" at 21.234,0.508 h1
  text "SCH-Ver-1 & PCB-Ver-2" at 32.104,0.52 h1
Board Shape:
  the board outline again, w0.16

## Text inside footprints (layer, text, board x,y; h text height)
D1L: Mechanical 13 "+" at 25.329,2.558 h0.5 r270